# KiCad board mainboard_1.kicad_pcb
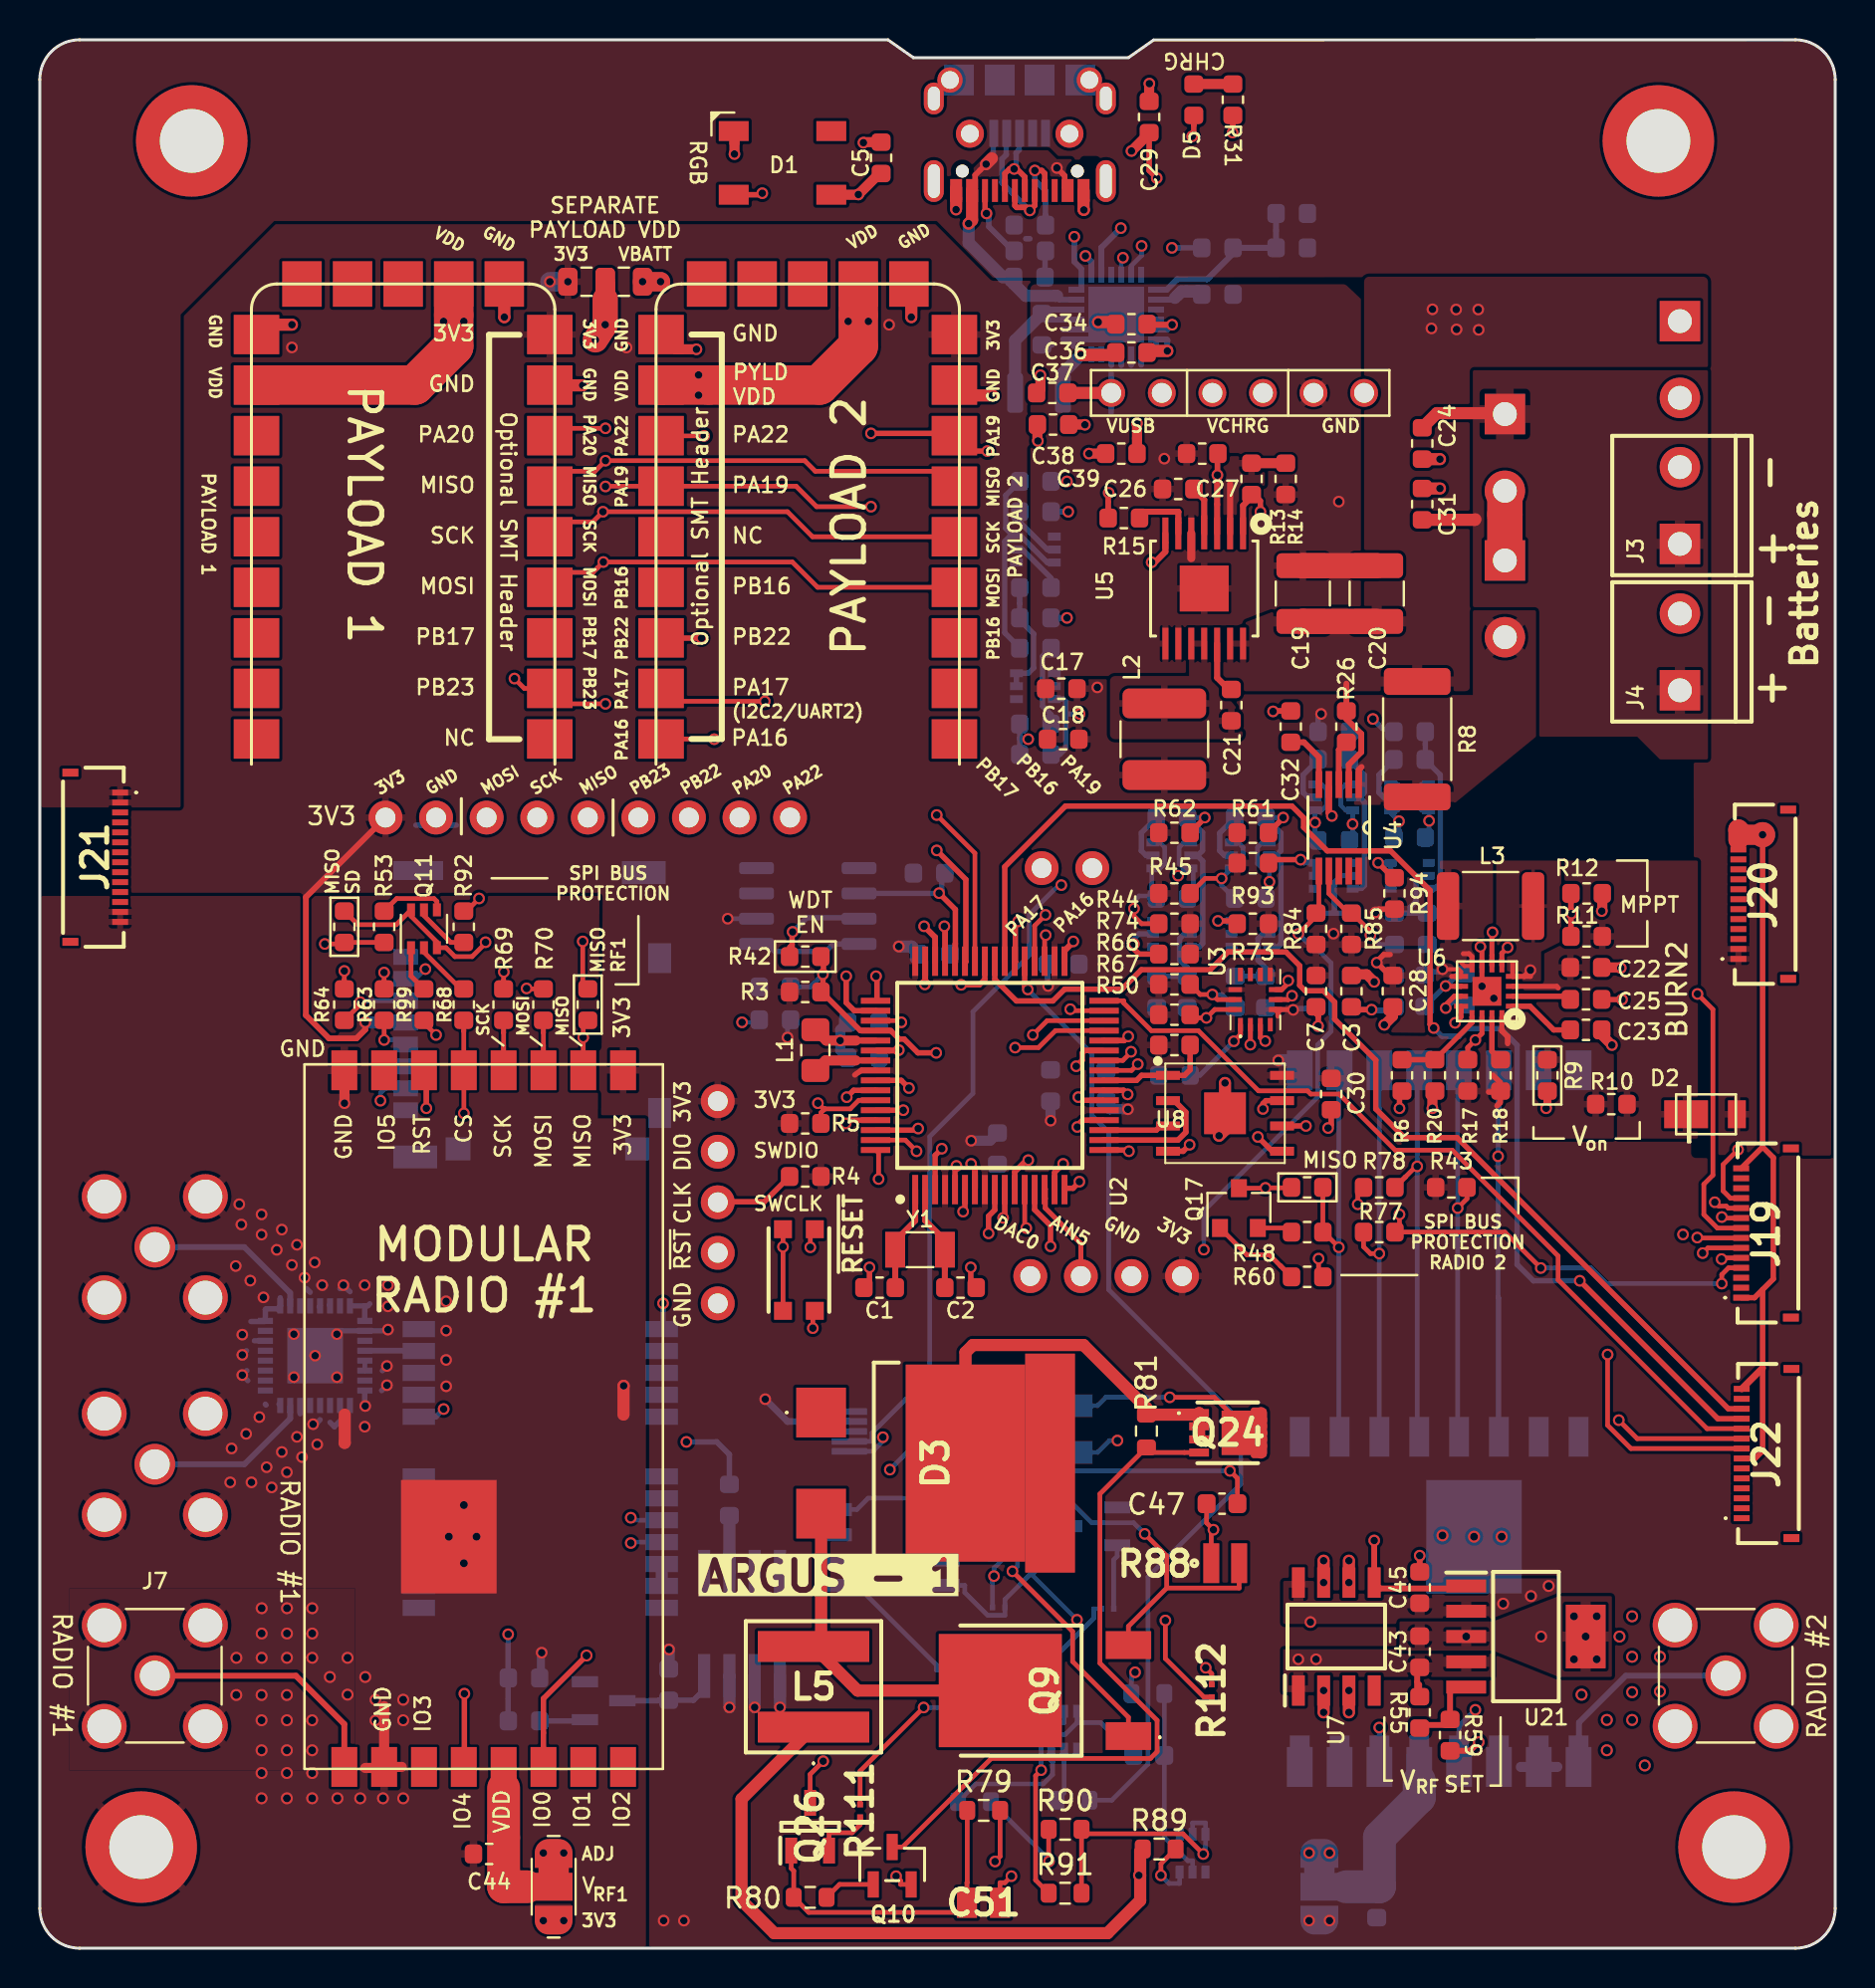
[diagram p0: board, top side]
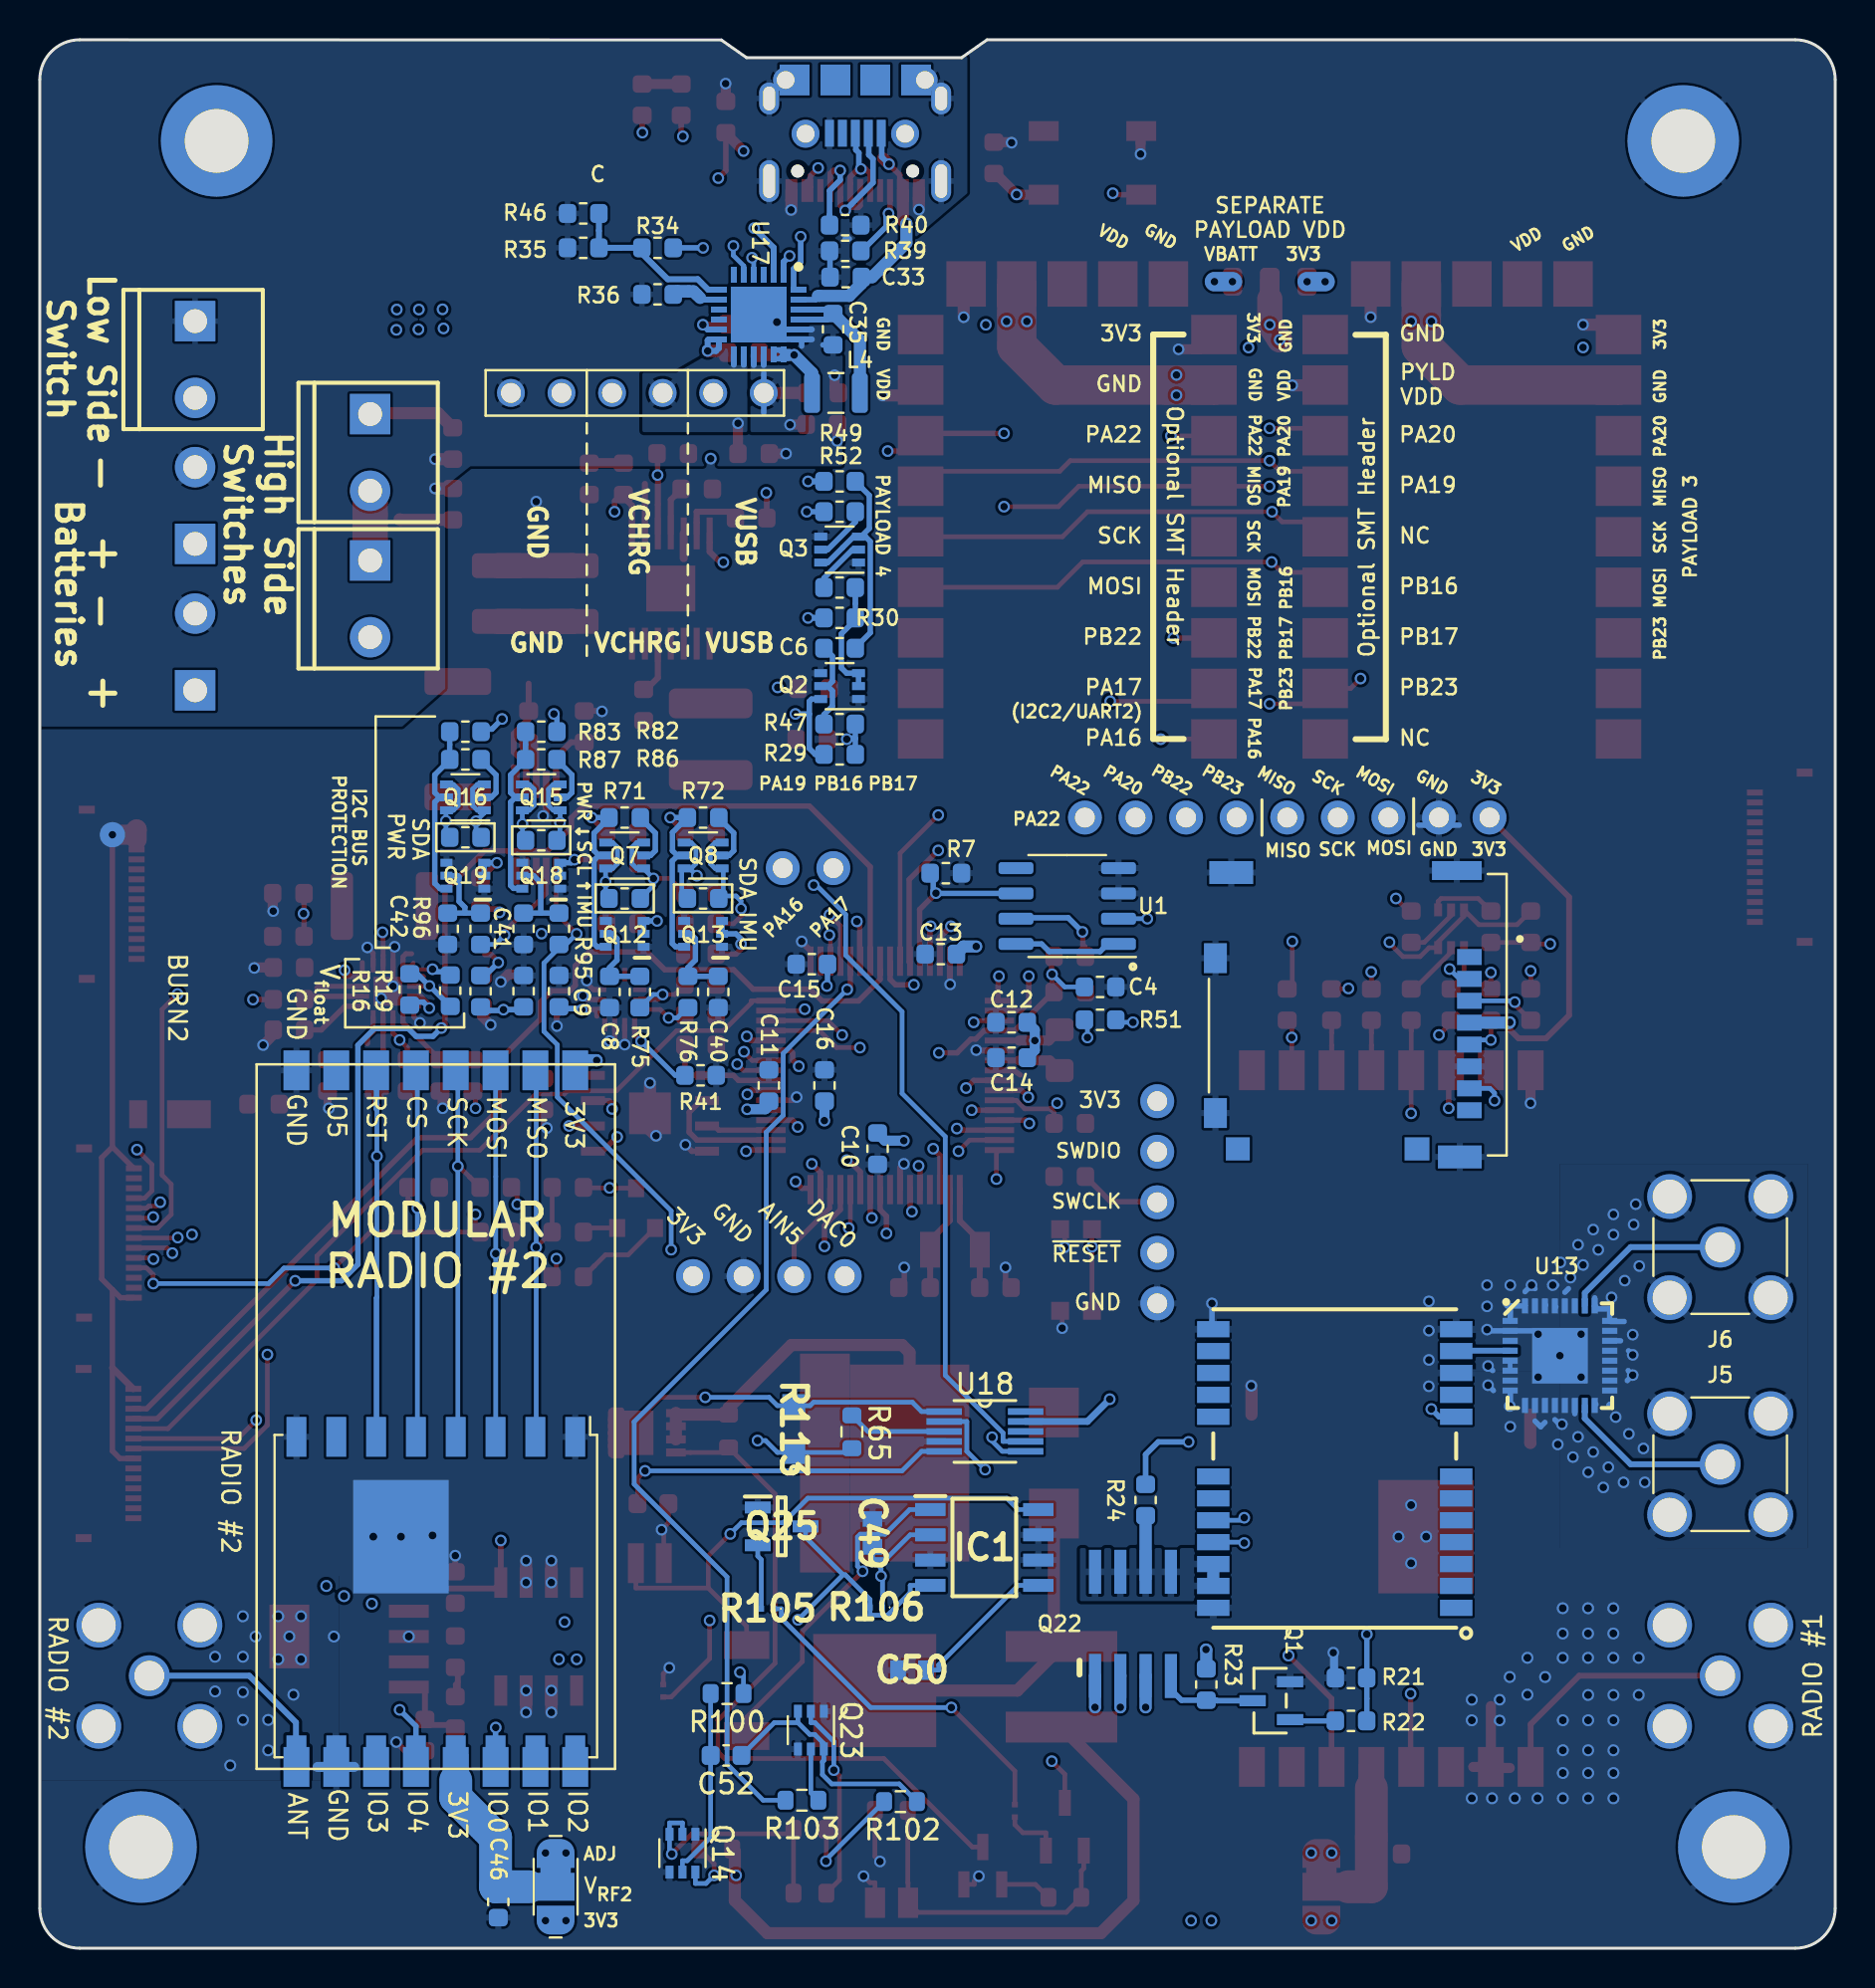
[diagram p1: board, bottom side, seen from below]

Outline 90.17 x 95.88 mm; copper layers: Top, Route2, Route15, Bottom. Coordinates in mm from the lower left corner of the outline.
Outline path: 0,93.88 0,2 arc(0.59,0.59) 2,0 88.17,0 arc(89.58,0.59) 90.17,2 90.17,93.88 arc(89.58,95.3) 88.17,95.88 55.94,95.88 54.67,94.99 43.87,94.99 42.6,95.88 2,95.88 arc(0.59,95.3) 0,93.88

## Placement (name value [footprint] x y rotation side)
C1  8pF  [C_0603_1608Metric]  42.18 33.19 180 top
C2  8pF  [C_0603_1608Metric]  46.24 33.19 0 top
C3  0.1uF  [C_0603_1608Metric]  65.87 48.08 90 top
C4  1uF  [C_0603_1608Metric]  36.92 48.3 0 bottom
C5  0.1uF  [C_0603_1608Metric]  42.25 89.95 90 top
C6  10uF  [C_0603_1608Metric]  50 65.32 0 bottom
C7  0.1uF  [C_0603_1608Metric]  64.1 48.08 270 top
C8  10nF  [C_0603_1608Metric]  61.56 48.04 270 bottom
C9  0.1uF  [C_0603_1608Metric]  64.1 48.08 270 bottom
C10  0.1uF  [C_0603_1608Metric]  48.09 40.17 270 bottom
C11  0.1uF  [C_0603_1608Metric]  53.56 43.35 90 bottom
C12  1uF  [C_0603_1608Metric]  41.36 46.52 180 bottom
C13  1uF  [C_0603_1608Metric]  44.92 49.95 0 bottom
C14  10uF  [C_0603_1608Metric]  41.36 44.74 0 bottom
C15  1uF  [C_0603_1608Metric]  51.4 49.44 0 bottom
C16  10uF  [C_0603_1608Metric]  50.76 43.35 90 bottom
C17  22uF  [C_0603_1608Metric]  51.3 63.28 0 top
C18  22uF  [C_0603_1608Metric]  51.4 60.74 0 top
C19  100uF  [C_1210_3225Metric]  63.43 68.06 90 top
C20  100uF  [C_1210_3225Metric]  67.14 68.06 90 top
C21  0.1uF  [C_0603_1608Metric]  59.84 62.46 90 top
C22  10uF  [C_0603_1608Metric]  77.66 49.28 0 top
C23  2.2uF  [C_0603_1608Metric]  77.66 46.14 0 top
C24  0.1uF  [C_0603_1608Metric]  69.43 75.6 270 top
C25  22nF  [C_0603_1608Metric]  77.66 47.67 0 top
C26  3.3nF  [C_0603_1608Metric]  57.18 73.32 180 top
C27  1uF  [C_0603_1608Metric]  58.38 75.1 180 top
C28  22uF  [C_0603_1608Metric]  67.95 48.08 270 top
C29  4.7uF  [C_0603_1608Metric]  55.71 92.01 90 top
C30  0.1uF  [C_0603_1608Metric]  64.86 42.92 270 top
C31  22uF  [C_0603_1608Metric]  69.43 72.56 90 top
C32  3.3nF  [C_0603_1608Metric]  62.83 61.38 270 top
C33  1uF  [C_0603_1608Metric]  49.7 83.96 180 bottom
C34  4.7uF  [C_0603_1608Metric]  54.83 81.6 180 top
C35  10uF  [C_0603_1608Metric]  50.33 81.34 90 bottom
C36  47nF  [C_0603_1608Metric]  54.83 80.18 0 top
C37  22uF  [C_0603_1608Metric]  50.85 78.14 0 top
C38  22uF  [C_0603_1608Metric]  50.89 76.56 0 top
C39  10uF  [C_0603_1608Metric]  54.32 75.1 0 top
C40  10nF  [C_0603_1608Metric]  56.1 48.04 270 bottom
C41  10nF  [C_0603_1608Metric]  65.87 51.22 270 bottom
C42  10nF  [C_0603_1608Metric]  69.68 51.22 270 bottom
C43  10uF  [C_0603_1608Metric]  69.3 14.9 270 top
C44  10uF  [C_0603_1608Metric]  22.57 4.74 0 top
C45  0.1uF  [C_0603_1608Metric]  69.3 18.12 270 top
C46  10uF  [C_0603_1608Metric]  67.14 2.32 90 bottom
C47  3.3nF  [C_0603_1608Metric]  59.37 22.33 0 top
C49  0.1u  [CAPC1608X87N]  48.35 20.86 270 bottom
C50  0.1u  [CAPC1608X87N]  46.36 13.97 180 bottom
C51  100u  [CAPC2012X150N]  47.39 2.28 180 top
C52  10uF  [C_0603_1608Metric]  55.7 9.68 0 bottom
D1  WS2812B  [LED_WS2812B_PLCC4_5.0x5.0mm_P3.2mm]  37.3 89.7 180 top
D2  DFLS130L  [PWRDI-123]  83.78 41.9 0 top
D3  RB225NS-40TL  [RFN10NS3STL]  45.06 24.37 270 top
D5  GREEN LED  [LED_0603_1608Metric]  57.96 92.88 90 top
H1  MountingHole_Pad  [MountingHole_3.2mm_M3_DIN965_Pad]  7.63 90.81 0 top
H2  MountingHole_Pad  [MountingHole_3.2mm_M3_DIN965_Pad]  5.09 5.08 0 top
H3  MountingHole_Pad  [MountingHole_3.2mm_M3_DIN965_Pad]  85.09 5.08 0 top
H4  MountingHole_Pad  [MountingHole_3.2mm_M3_DIN965_Pad]  81.29 90.81 0 top
IC1  MAX1771ESA+  [SOIC127P600X175-8N]  42.73 20.13 180 bottom
J1  503182-1852  [MOLEX_503182-1852]  24.73 46.9 270 bottom
J2  Conn_01x05  [PinHeader_1x05_P2.54mm_Vertical]  34.05 42.56 0 top
J3  1985807  [SCREWTERMINAL-3.5MM-2_LOCK]  82.37 70.74 90 top
J4  1985807  [SCREWTERMINAL-3.5MM-2_LOCK]  82.37 63.38 90 top
J5  Amphenol_901-144  [SMA_Amphenol_901-144_Vertical]  5.77 24.32 0 bottom
J6  Amphenol_901-144  [SMA_Amphenol_901-144_Vertical]  5.77 35.23 0 bottom
J7  Amphenol_901-144  [SMA_Amphenol_901-144_Vertical]  5.77 13.69 0 top
J8  Conn_01x09  [PinHeader_1x09_P2.54mm_Vertical]  17.36 56.81 90 top
J10  Conn_01x04  [PinHeader_1x04_P2.54mm_Vertical]  49.75 33.77 90 top
J11  -  [10118194-0001LF]  49.21 93.87 0 bottom
J12  Amphenol_901-144  [SMA_Amphenol_901-144_Vertical]  84.67 13.69 0 top
J13  USB_C_Receptacle_USB2.0  [USB_C_Receptacle_XKB_U262-161N-4BVC11]  49.72 93.33 180 top
J14  Conn_01x06  [PinHeader_1x06_P2.54mm_Vertical]  53.81 78.14 270 bottom
J15  Conn_01x02  [PinHeader_CUSTOM3]  50.32 54.27 90 top
J16  1985807  [SCREWTERMINAL-3.5MM-2_LOCK]  73.58 76.9 270 bottom
J17  1985807  [SCREWTERMINAL-3.5MM-2_LOCK]  73.58 69.55 270 bottom
J18  1985807  [SCREWTERMINAL-3.5MM-2_LOCK]  82.37 81.57 270 bottom
J19  -  [F3311A7H121014E200]  86.79 35.93 90 top
J20  -  [F3311A7H121014E200]  86.65 52.95 90 top
J21  -  [F3311A7H121014E200]  2.69 54.81 270 top
J22  -  [F3311A7H121014E200]  86.82 24.85 90 top
JP6  Jumper_3_Bridged12  [SolderJumper-3_P1.3mm_Bridged12_RoundedPad1.0x1.5mm]  25.81 3.09 270 top
JP7  Jumper_3_Bridged12  [SolderJumper-3_P1.3mm_Bridged12_RoundedPad1.0x1.5mm]  64.27 3.09 270 bottom
L1  10uH  [L_0805_2012Metric_Pad1.15x1.40mm_HandSolder]  38.95 45.12 270 top
L2  3.3uH  [L_2141]  56.48 60.74 270 top
L3  33uH  [L_1812_4532Metric]  72.86 52.36 0 top
L4  1uH  [L_2510]  50.18 78.14 0 bottom
L5  22u  [PA5432223NLT]  38.86 13.13 0 top
Q1  IRLML2803  [SOT-23#2]  28.38 12.44 90 bottom
Q2  MBT2222ADW1T1  [SOT-363_SC-70-6]  50 63.41 0 bottom
Q3  MBT2222ADW1T1  [SOT-363_SC-70-6]  50 70.27 0 bottom
Q7  MBT2222ADW1T1  [SOT-363_SC-70-6]  60.79 54.9 0 bottom
Q8  MBT2222ADW1T1  [SOT-363_SC-70-6]  56.86 54.9 0 bottom
Q9  IRFR320TRPBF-BE3  [IRFR320TRPBFBE3]  50.48 12.94 90 top
Q10  IRLML2803  [SOT-23#2]  42.81 4.21 0 top
Q11  MMDT2907  [SOT-363_SC-70-6]  19.29 51.22 90 top
Q12  -  [BSS138DWQ-7]  60.79 50.97 0 bottom
Q13  -  [BSS138DWQ-7]  56.86 50.97 0 bottom
Q14  MBT2222ADW1T1  [SOT-363_SC-70-6]  57.89 4.77 270 bottom
Q15  MBT2222ADW1T1  [SOT-363_SC-70-6]  64.99 57.82 0 bottom
Q16  MBT2222ADW1T1  [SOT-363_SC-70-6]  68.8 57.82 0 bottom
Q17  MMBT2907  [SOT-23]  60.22 37.19 90 top
Q18  -  [BSS138DWQ-7]  64.99 53.89 0 bottom
Q19  -  [BSS138DWQ-7]  68.8 53.89 0 bottom
Q22  -  [NDS8434]  35.27 16.29 180 bottom
Q23  MBT2222ADW1T1  [SOT-363_SC-70-6]  51.44 10.95 270 bottom
Q24  SQS141ELNW-T1_GE3  [SQS850ENT1_GE3]  59.66 25.89 0 top
Q25  2SC4713KT146R  [SOT95P280X130-3N]  52.91 21.19 180 bottom
Q26  2SC4713KT146R  [SOT95P280X130-3N]  38.69 6.1 90 top
R1  316K  [R_0603_1608Metric]  68.03 48.08 270 bottom
R2  110K  [R_0603_1608Metric]  65.87 48.08 270 bottom
R3  10K  [R_0603_1608Metric]  38.44 48.04 0 top
R4  10K  [R_0603_1608Metric]  38.44 38.77 180 top
R5  10k  [R_0603_1608Metric]  38.44 41.44 0 top
R6  4.7k  [R_0603_1608Metric]  68.41 43.85 270 top
R7  10k  [R_0603_1608Metric]  44.67 54.01 0 bottom
R8  0.1  [R_2512_6332Metric]  69.18 60.74 270 top
R9  107K  [R_0603_1608Metric]  75.72 43.85 270 top
R10  0  [R_0603_1608Metric]  78.93 42.41 0 top
R11  787K  [R_0603_1608Metric]  77.69 50.84 0 top
R12  121K  [R_0603_1608Metric]  77.69 53 180 top
R13  73.2K  [R_0603_1608Metric]  60.86 73.83 270 top
R14  22.1K  [R_0603_1608Metric]  62.57 73.83 90 top
R15  100K  [R_0603_1608Metric]  54.44 71.86 180 top
R16  845K  [R_0603_1608Metric]  71.59 48.17 90 bottom
R17  100k  [R_0603_1608Metric]  71.72 43.85 270 top
R18  100k  [R_0603_1608Metric]  73.37 43.85 270 top
R19  2.1M  [R_0603_1608Metric]  69.56 48.11 270 bottom
R20  3.01K  [R_0603_1608Metric]  70.07 43.85 90 top
R21  10K  [R_0603_1608Metric]  24.32 13.58 0 bottom
R22  4.7K  [R_0603_1608Metric]  24.32 11.42 0 bottom
R23  3.3K  [R_0603_1608Metric]  31.58 13.25 270 bottom
R24  10K  [R_0603_1608Metric]  34.63 22.52 270 bottom
R26  1K  [R_0603_1608Metric]  65.62 61.38 270 top
R29  73.2K  [R_0603_1608Metric]  50 59.98 0 bottom
R30  100K  [R_0603_1608Metric]  50 66.84 180 bottom
R31  10K  [R_0603_1608Metric]  59.92 92.88 270 top
R34  5.23K  [R_0603_1608Metric]  59.14 85.43 0 bottom
R35  30.1K  [R_0603_1608Metric]  62.88 85.43 180 bottom
R36  3.16K  [R_0603_1608Metric]  59.14 83.1 180 bottom
R39  5.1k  [R_0603_1608Metric]  49.72 85.28 180 bottom
R40  5.1k  [R_0603_1608Metric]  49.72 86.58 0 bottom
R41  10k  [R_0603_1608Metric]  56.98 43.86 180 bottom
R42  10k  [R_0603_1608Metric]  38.44 49.82 180 top
R43  10k  [R_0603_1608Metric]  70.89 38.23 0 top
R44  10K  [R_0603_1608Metric]  56.98 51.47 180 top
R45  10K  [R_0603_1608Metric]  56.98 53 0 top
R46  10K  [R_0603_1608Metric]  62.88 87.16 180 bottom
R47  200K  [R_0603_1608Metric]  50 61.51 0 bottom
R48  0  [R_0603_1608Metric]  63.65 35.98 0 top
R49  100K  [R_0603_1608Metric]  50 73.7 180 bottom
R50  10k  [R_0603_1608Metric]  56.98 45.38 180 top
R51  10k  [R_0603_1608Metric]  36.92 46.65 0 bottom
R52  10K  [R_0603_1608Metric]  50 72.17 0 bottom
R53  0  [R_0603_1608Metric]  17.29 51.32 270 top
R54  0  [R_0805_2012Metric]  27.46 83.73 0 top
R55  10K  [R_0603_1608Metric]  69.3 11.85 270 top
R56  0  [R_0805_2012Metric]  29.33 83.73 0 top
R59  3.3K  [R_0603_1608Metric]  70.83 10.71 270 top
R60  4.7k  [R_0603_1608Metric]  63.65 33.73 0 top
R61  10K  [R_0603_1608Metric]  60.92 56.05 0 top
R62  10K  [R_0603_1608Metric]  56.98 56.05 0 top
R63  1K  [R_0603_1608Metric]  17.29 47.41 90 top
R64  1K  [R_0603_1608Metric]  15.29 47.41 90 top
R65  1K  [R_0603_1608Metric#2]  49.38 25.94 90 bottom
R66  10K  [R_0603_1608Metric]  56.98 48.43 0 top
R67  10K  [R_0603_1608Metric]  56.98 46.9 0 top
R68  4.7K  [R_0603_1608Metric]  21.29 47.41 270 top
R69  1K  [R_0603_1608Metric]  23.29 47.41 90 top
R70  1K  [R_0603_1608Metric]  25.29 47.41 270 top
R71  680  [R_0603_1608Metric]  60.79 56.81 0 bottom
R72  680  [R_0603_1608Metric]  56.86 56.81 0 bottom
R73  100K  [R_0603_1608Metric]  60.92 51.47 180 top
R74  100K  [R_0603_1608Metric]  56.98 49.95 180 top
R75  200K  [R_0603_1608Metric]  60.03 48.04 90 bottom
R76  200K  [R_0603_1608Metric]  57.62 48.04 90 bottom
R77  1K  [R_0603_1608Metric]  67.27 35.98 0 top
R78  1K  [R_0603_1608Metric]  67.27 38.23 180 top
R79  10K  [R_0603_1608Metric#2]  47.4 6.92 0 top
R80  4.7K  [R_0603_1608Metric#2]  38.69 2.55 0 top
R81  3.3K  [R_0603_1608Metric#2]  55.58 25.98 270 top
R82  10K  [R_0603_1608Metric]  64.99 61.13 0 bottom
R83  10K  [R_0603_1608Metric]  68.8 61.13 0 bottom
R84  10K  [R_0603_1608Metric]  64.1 51.22 90 top
R85  10K  [R_0603_1608Metric]  65.87 51.22 90 top
R86  680  [R_0603_1608Metric]  64.99 59.73 0 bottom
R87  680  [R_0603_1608Metric]  68.8 59.73 0 bottom
R88  20m  [ERJB30508]  59.53 19.34 0 top
R89  73.2K  [R_0603_1608Metric#2]  56.22 4.98 0 top
R90  100K  [R_0603_1608Metric#2]  51.49 5.97 0 top
R91  20K  [R_0603_1608Metric#2]  51.49 2.76 0 top
R92  4.7k  [R_0603_1608Metric]  21.29 51.32 90 top
R93  100K  [R_0603_1608Metric]  60.92 54.52 0 top
R94  100K  [R_0603_1608Metric]  68.03 53 90 top
R95  200K  [R_0603_1608Metric]  64.1 51.22 90 bottom
R96  200K  [R_0603_1608Metric]  68.03 51.22 90 bottom
R97  0  [R_0603_1608Metric]  60.79 52.74 180 bottom
R98  0  [R_0603_1608Metric]  56.86 52.74 180 bottom
R99  0  [R_0603_1608Metric]  19.29 47.41 270 top
R100  200K  [R_0603_1608Metric#2]  55.65 12.79 0 bottom
R101  0  [R_0603_1608Metric]  27.52 47.41 90 top
R102  100K  [R_0603_1608Metric#2]  46.94 7.36 180 bottom
R103  10K  [R_0603_1608Metric#2]  51.89 7.43 0 bottom
R104  0  [R_0603_1608Metric]  15.29 51.32 90 top
R105  1k  [ERJ1GJJ2R4C]  53.62 17.05 0 bottom
R106  10k  [ERJ1GJJ2R4C]  48.16 17.12 0 bottom
R107  0  [R_0603_1608Metric]  63.65 38.23 180 top
R108  0  [R_0603_1608Metric]  64.99 55.66 180 bottom
R109  0  [R_0603_1608Metric]  68.8 55.82 180 bottom
R110  20K  [R_0603_1608Metric]  50 68.36 180 bottom
R111  1k  [ERJ1GJJ2R4C]  41.2 6.9 270 top
R112  0  [ERJ1GJJ2R4C]  58.86 12.93 270 top
R113  82m  [ERJ6_B_BW_R_LW_CW_D]  52.3 26.08 90 bottom
SW1  KMR231NG LFS  [BTN_KMR2_4.6X2.8]  38.13 34.07 90 top
U1  MAX706RESA  [SO-8_3.9x4.9mm_P1.27mm]  38.57 52.36 0 bottom
U2  ATSAMD51J19A-AU  [QFP50P1200X1200X120-64N]  47.71 43.85 90 top
U3  -  [BMX160]  61.05 47.66 270 top
U4  -  [ADM1176-1ARMZ-R7]  65.24 56.3 270 top
U5  TPS54226PWPRPWP14_2P31X2P46-L  [PWP14_2P31X2P46-L]  58.48 68.32 270 top
U6  LTC4121  [QFN-16-PAD]  72.68 48.08 180 top
U7  KF50BD-TR  [SOIC127P600X175-8N]  65.11 15.66 90 top
U8  MR25H40MDF  [SON127P600X500X90-9N]  59.52 41.95 0 top
U10  XTB-40  [XTB40_payload]  25.87 83.62 180 top
U12  XTB-40  [XTB40_payload]  46.19 83.62 180 top
U13  EP2W+  [QFN32-5X5MM]  13.83 29.77 180 bottom
U14  S1216V8  [S1216_24PIN_PACKAGE]  24.88 24.72 180 bottom
U15  RFM9xBreakout  [HOPERF_RFM9XW_SMD]  70.28 17.69 270 bottom
U17  BQ25883RGER  [QFN50P400X400X100-25N-D]  54.06 82.08 270 bottom
U18  ADM1176-1ARMZ-R7  [ADM1176-1ARMZ-R7#2]  42.7 25.96 180 bottom
U21  -  [TPS7A4501DCQT]  74.64 15.66 0 top
U23  RFM98PW  [RFM95PW]  22.79 26.71 270 top
U24  RFM98PW  [RFM95PW]  69.78 26.71 270 bottom
Y1  32.768kHz  [Crystal_SMD_3215-2Pin_3.2x1.5mm]  44.21 35.1 180 top

## Library data of the parts
C1 C2 = -: Description: 8pF +-0.25pF 50V C0G 0603
C3 C5 C7 C9-C11 C21 C30 = -: Description: 0.1uF +-10% 50V X7R 0603
C4 C12 C13 C15 C27 = -: Description: 1uF 0603 X7R
C6 C24 C29 C31-C39 C43-C45 C47 C52 = -: Description: Unpolarized capacitor, small symbol
C8 C40-C42 = -: Description: Unpolarized capacitor
C14 C16 C22 = -: Description: 10uF +-20% 10V X5R
C17 C18 C28 = -: Description: 22uF +-20% 10V X5R
C19 C20 = -: Description: 100uF 16V X5R 1210
C23 = -: Description: 2.2uF +-20% 6.3V X5R
C25 = -: Description: 22nF +-10% 50V X7R
C26 = -: Description: 3.3nF +-10% 100V X7R 0603
C46 = -: Description: Unpolarized capacitor, small symbol; DNI: DNI
C49 C50 = -: Description: SMD COTS X7R, Ceramic, 0.1 uF, 10%, 25 VDC, 62.5 VDC, 125C, -55C, X7R, SMD, MLCC, COTS, Temperature Stable, Class II, 3.5 % , 5 GOhms, 4.8 mg, 0603, 1.6mm, 0.8mm, 0.8mm, 0.7mm, 0.35mm, 4000, 78  Weeks, 80; Height: 0.87; Manufacturer_Name: KEMET; Manufacturer_Part_Number: C0603T104K3RACTU; Mouser Part Number: 80-C0603T104K3R; Mouser Price/Stock: https://www.mouser.co.uk/ProductDetail/KEMET/C0603T104K3RACTU?qs=w3%252Bcv6FlocpVW%2FqNvg6pbg%3D%3D
C51 = -: Description: General Multilayer Ceramic Capacitors; Height: 1.5; Manufacturer_Name: SAMSUNG; Manufacturer_Part_Number: CL31A107MPKNNWE; Mouser Part Number: 187-CL31A107MPKNNWE; Mouser Price/Stock: https://www.mouser.co.uk/ProductDetail/Samsung-Electro-Mechanics/CL31A107MPKNNWE?qs=Jm2GQyTW%2FbiZr8a%2Fkozi8w%3D%3D
D1 = -: Description: RGB LED with integrated controller; Flight: WS2812B-B; Manufacturer_Name: Worldsemi; Manufacturer_Part_Number: WS2812B-B; Proto: WS2812B-B; Field8: 1
D2 = -: Description: Schottky Diode - 30V 1A; DNI: DNI; Flight: DFLS130L-7; Manufacturer_Name: Diodes Incorporated; Manufacturer_Part_Number: DFLS130L-7
D3 = -: Description: 40V, 30A, TO-263S (D2PAK), Schottky Barrier Diode; Manufacturer_Name: ROHM Semiconductor; Mouser Part Number: 755-RB225NS-40TL; Mouser Price/Stock: https://www.mouser.co.uk/ProductDetail/ROHM-Semiconductor/RB225NS-40TL?qs=IsRgwgmxh6%2FAPCsbIbPZ2w%3D%3D
D5 = -: Description: Light emitting diode; Flight: LTST-C190KGKT; Manufacturer_Name: Lite-On Inc.; Manufacturer_Part_Number: LTST-C190KGKT; Proto: LTST-C190KGKT
H1-H4 = -: Description: Mounting Hole with connection; DNI: DNI
IC1 = -: Description: High-Efficiency Step-Up DC-DC Controller; Height: 1.75; Manufacturer_Name: Analog Devices; Mouser Part Number: 700-MAX1771ESA; Mouser Price/Stock: https://www.mouser.co.uk/ProductDetail/Maxim-Integrated/MAX1771ESA%2b?qs=1THa7WoU59EgQuAJ5SR28Q%3D%3D
J1 = -: Description: Molex microSD Card Socket; Flight: 5031821852; Manufacturer_Name: Molex; Manufacturer_Part_Number: 5031821852; Proto: 5031821852
J2 = -: Description: Generic connector, single row, 01x05, script generated (kicad-library-utils/schlib/autogen/connector/); DNI: DNI
J3 J4 J16-J18 = -: Description: 2-pin Screw Terminal - Side Entry; Manufacturer_Name: Phoenix Contact
J5 J6 J12 = -: Description: coaxial connector (BNC, SMA, SMB, SMC, Cinch/RCA, LEMO, ...); DNI: DNI; Flight: 901-144; Manufacturer_Name: Amphenol; Manufacturer_Part_Number: 901-144; Proto: 901-144
J7 = -: Description: coaxial connector (BNC, SMA, SMB, SMC, Cinch/RCA, LEMO, ...); Flight: 901-144; Manufacturer_Name: Amphenol; Manufacturer_Part_Number: 901-144; Proto: 901-144
J8 = -: Description: Generic connector, single row, 01x09, script generated (kicad-library-utils/schlib/autogen/connector/); DNI: DNI
J10 = -: Description: Generic connector, single row, 01x04, script generated (kicad-library-utils/schlib/autogen/connector/); DNI: DNI
J11 = -: Description: Micro USB (OPTIONAL) Amphenol PN: 10118194-0001LF; DNI: DNI; Manufacturer_Name: Amphenol; Field6: PCB~{Edge}
J13 = -: Description: USB Type-C Connector - Single sided; Flight: U262-161N-4BVC11; Manufacturer_Name: XKB Connectivity; Manufacturer_Part_Number: U262-161N-4BVC11; Proto: U262-161N-4BVC11
J14 = -: Description: Generic connector, single row, 01x06, script generated (kicad-library-utils/schlib/autogen/connector/); DNI: DNI
J15 = -: Description: Generic connector, single row, 01x02, script generated (kicad-library-utils/schlib/autogen/connector/); DNI: DNI
J19-J22 = -: Description: Flex Connector, P=0.50mm, H=1.00mm, Right angle orientation, Flip type, ZIF, Double contact, point 14P; Height: 1.12; Manufacturer_Name: Amphenol Communications Solutions
JP6 JP7 = -: Description: Vertical Header - 0.1in (2.54mm); DNI: DNI
L1 = -: Description: 10uH Unshielded 0805; Flight: MGFL2012F100MT-LF; Manufacturer_Name: MicroGate; Manufacturer_Part_Number: MGFL2012F100MT-LF; Proto: MGFL2012F100MT-LF
L2 = -: Description: Inductor; Flight: SPM5030T-3R3M-HZ; Manufacturer_Name: TAI-TECH; Manufacturer_Part_Number: HPC5040NF-3R3MTH; Proto: HPC5040NF-3R3MTH
L3 = -: Description: Inductor; Flight: SLF6028T-330MR69-PF; Manufacturer_Name: 3L COILS; Manufacturer_Part_Number: SNR5040K-330M; Proto: SNR5040K-330M
L4 = -: Description: Inductor; Flight: DFE252012F-1R0M; Manufacturer_Name: Prosperity Dielectrics; Manufacturer_Part_Number: MCS25GD-1R0MMP; Proto: MCS25GD-1R0MMP
L5 = -: Description: Power Inductors - SMD 22uH 5A 20% DCR=60.63mOhms; Height: 6; Manufacturer_Name: Pulse Electronics; Manufacturer_Part_Number: PA5432.223NLT; Mouser Part Number: 673-PA5432.223NLT; Mouser Price/Stock: https://www.mouser.co.uk/ProductDetail/Pulse-Electronics/PA5432.223NLT?qs=pUKx8fyJudD0Br41f2NXvA%3D%3D
Q1 = -: Description: Single N-Channel MOSFET; Manufacturer_Name: Infineon Technologies; Manufacturer_Part_Number: IRLML2803TRPbF; Proto: 2302; Field8: REF**
Q2 Q3 Q7 Q8 Q14-Q16 Q23 = -: Description: 600mA IC, 40V Vce, Dual NPN/NPN Transistors, SOT-363; Flight: MBT2222ADW1T1G; Manufacturer_Name: ON Semiconductor; Manufacturer_Part_Number: MBT2222ADW1T1G; Proto: MBT2222ADW1T1G
Q9 = -: Description: MOSFET N-CHANNEL 400V; Height: 2.52; Manufacturer_Name: Vishay; Mouser Part Number: 78-IRFR320TRPBF-BE3; Mouser Price/Stock: https://www.mouser.co.uk/ProductDetail/Vishay-Semiconductors/IRFR320TRPBF-BE3?qs=TCDPyi3sCW35%2Ff7twG6d5A%3D%3D